# Altium PCB node24.PcbDoc (part 2 of 10)
Units mm, origin at the board's own origin, x right, y up, seen from the top; angles counter-clockwise.
Board outline 177.92 x 177.92 mm, 6 copper layers (L1 - Signal 1 (Top), L2 - Signal 2, L3 - Ground, L4 - Power, L5 - Signal 3, L6 - Signal 4 (Bot)), stack 1.511 mm thick; 721 components, 595 nets, 2782 pads, 2075 vias.
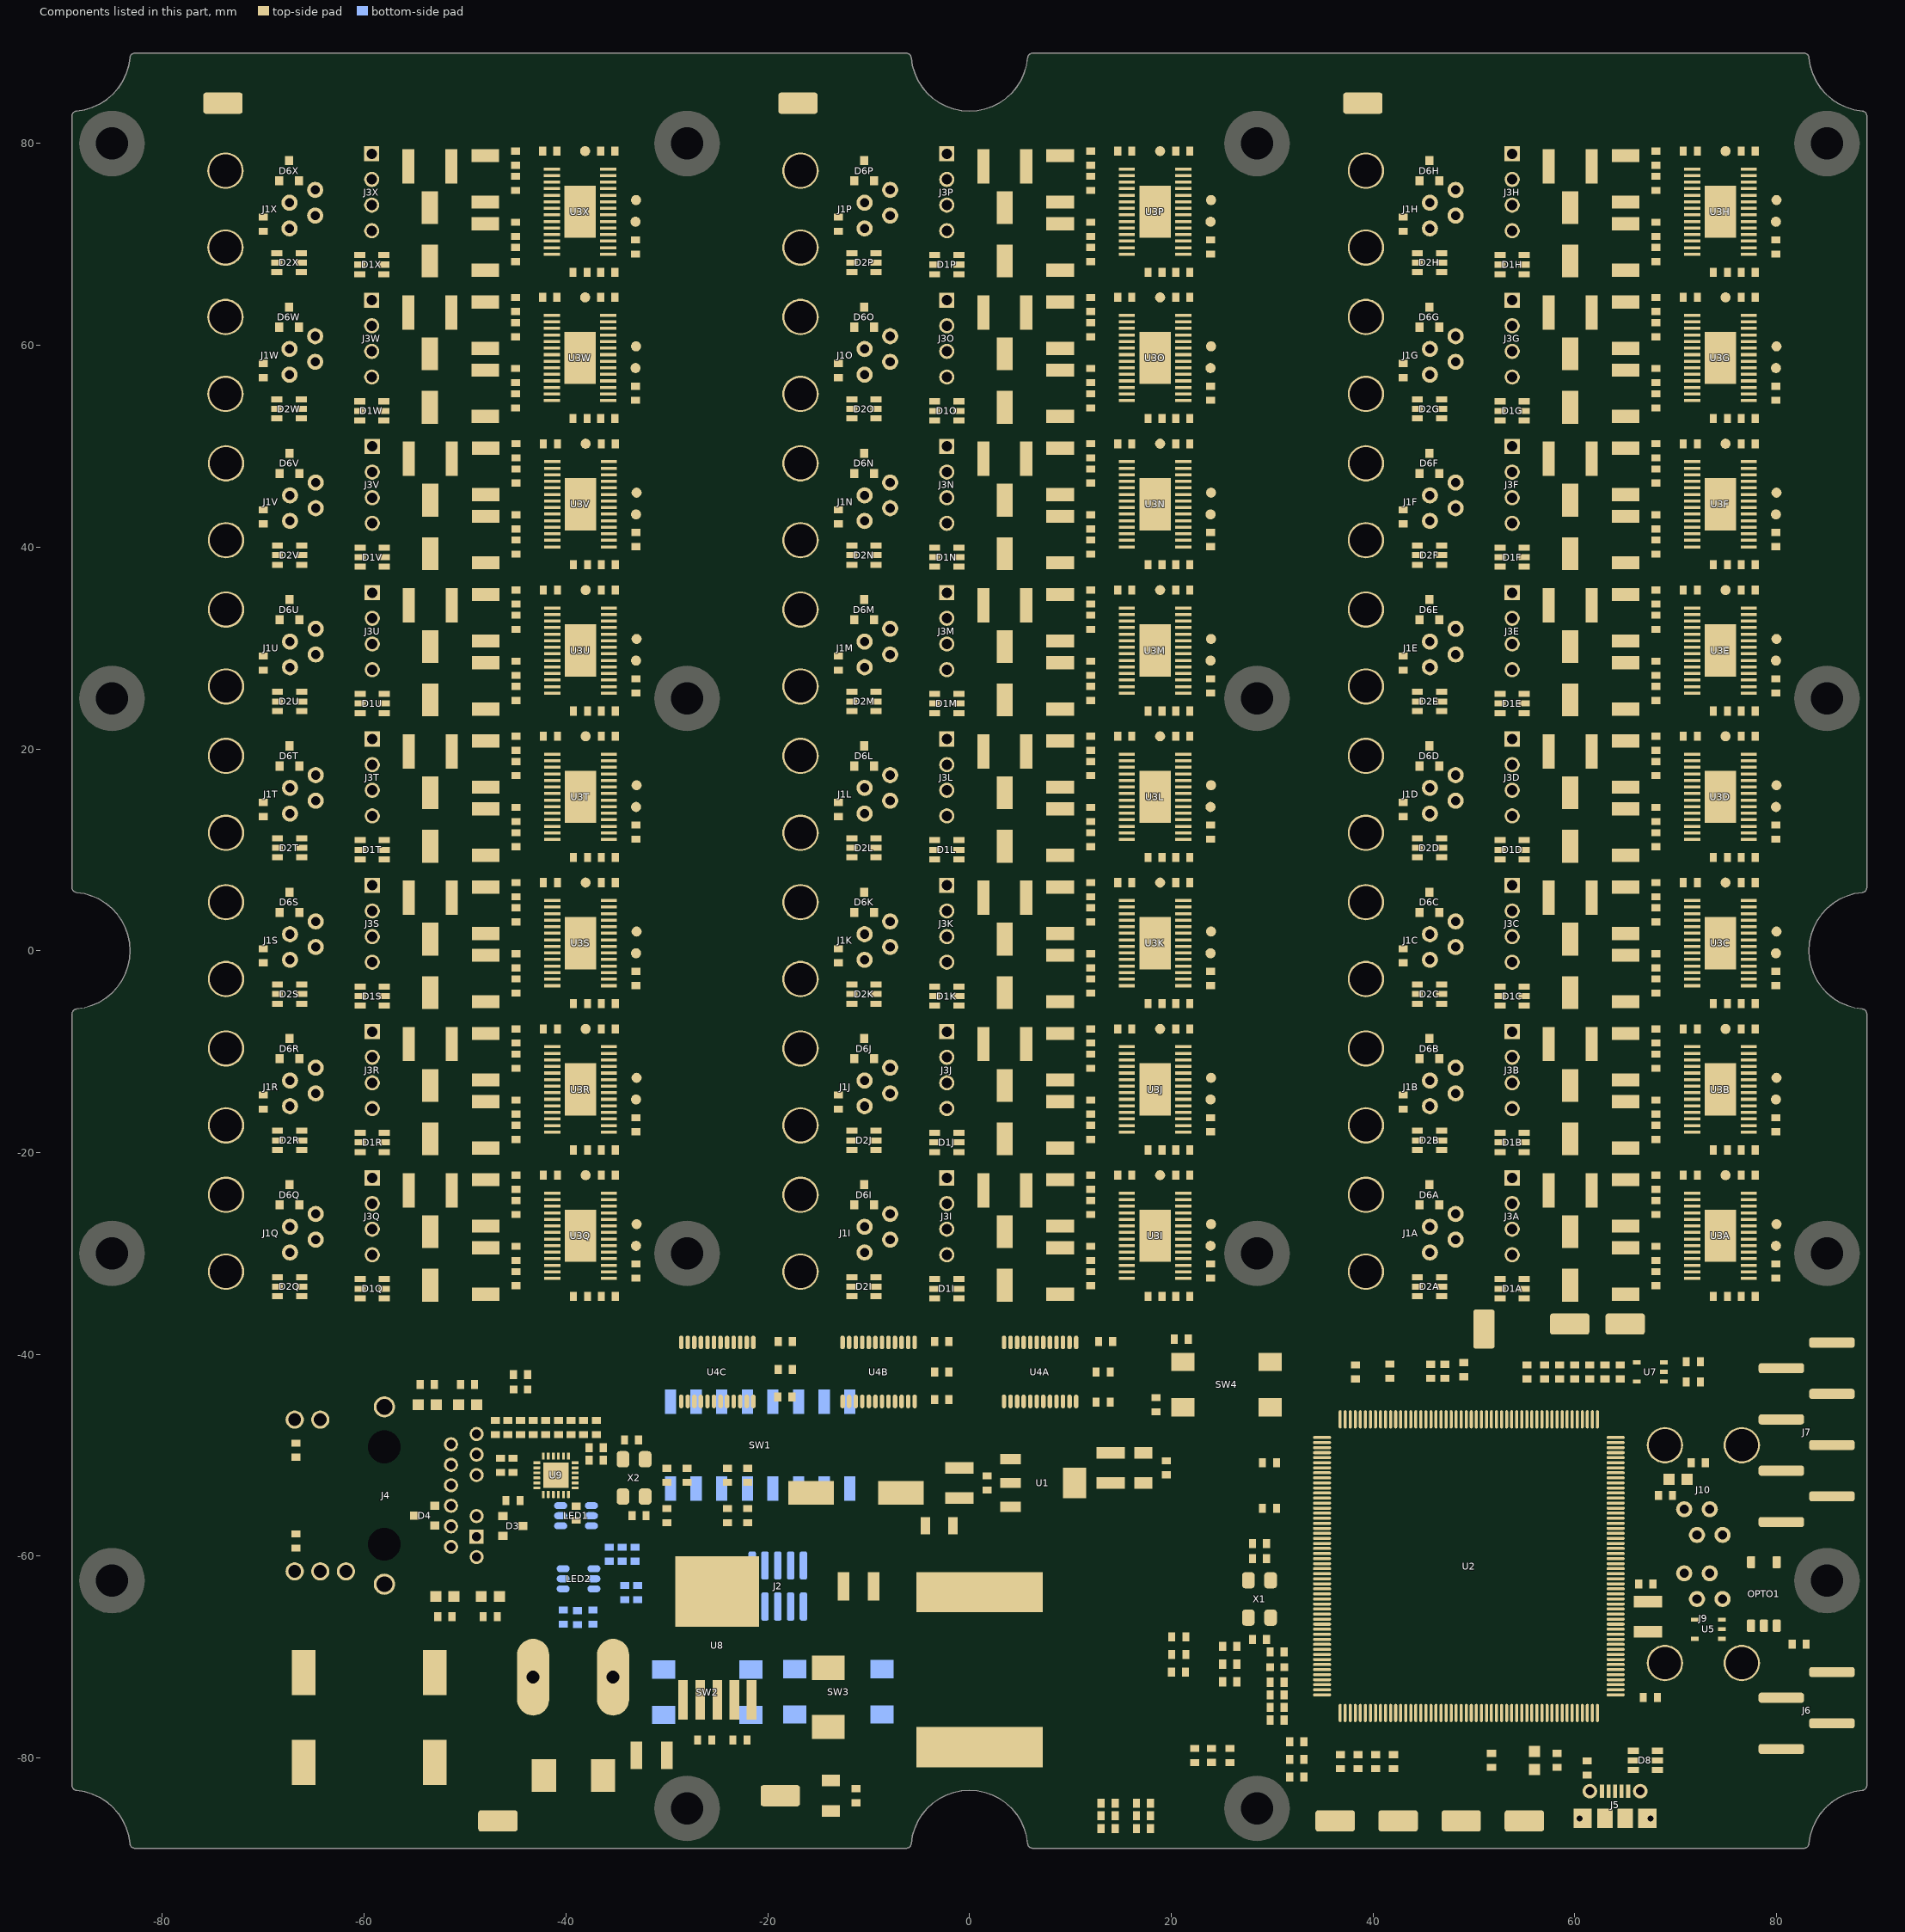
[diagram p6: the components of this part, seen from the top]

## Components (designator, comment, footprint, x,y, rotation, side; value= is the part's Value field where it differs from the comment) (continued)
J3X "CONN_HDR_1X4_2MM4_76384-404LF" HDR_1x4_2R54_V_M -59.25,78.98 r270 bottom (schematic designator J3)
J4 "L829-1J1T-43" BELS-L829-1J1T-43_V -58,-54 r270 bottom locked
J5 "CONN_USB_MICRO-B_RA_SMD_MOLEX_105017-0001" CONN_MOLEX_USB_MICRO_B_SMD_RA_1050170001 64,-83.3 r0 top locked
J6 "CONN_HDR_1X4_V_SMT_NREC004SABC-M30RC" HDR_1X4_2R54_V_M_SMT 83.02,-75.31 r180 top
J7 "CONN_HDR_1X8_V_M_SMT_NREC008SABC-M30RC" HDR_1X8_2R54_V_M_SMT 82.96,-47.73 r0 top
J8 "CONN_ANDERSON_PP45_STACKED_RATH_2POS" CONN_ANDERSON_POWERPOLE_45_HOUSING_STACKED_RATH -43.25,-72 r180 bottom locked
J9 "CONN_ASSMANN_JACK_MOD_4P4C_A-2014-3-4-N-T-R" CON_JACK_MOD_4P4C_ASSMANN_A-2014-3-4-N-T-R 72.755,-70.6 r0 bottom locked
J10 "CONN_ASSMANN_JACK_MOD_4P4C_A-2014-3-4-N-T-R" CON_JACK_MOD_4P4C_ASSMANN_A-2014-3-4-N-T-R 72.755,-49.01 r180 bottom locked
L1 "BEAD_LAIRD_MI0603J601R-10" 0603L 30.5,-71 r180 top
L3 "BEAD_LAIRD_MI0603J601R-10" 0603L -44.5,-43.5 r0 top
L4 "IND_100UH_5A3_SRP1770TA-101M" IND_17MM_SMT 1,-71.25 r90 top locked
LED1 "LED_RGB_SMD_CLX6F-FKC-CNP1ST1E1BB7D3D3" LED_6PLCC_RGB -39,-56 r180 bottom
LED2 "LED_RGB_SMD_CLX6F-FKC-CNP1ST1E1BB7D3D3" LED_6PLCC_RGB -38.75,-62.25 r180 bottom locked
OPTO1 "OPTO_TOSHIBA_LOGIC_PUSHPULL_TLP2361(TPL,E" SO-5 78.75,-63.75 r180 top
R1 "JMP 0603" RESC0603(1608)_L 30.5,-73.75 r0 top value="0.00 Ohm"
R2 "Jumper 1206" RESC1206(3216)_L -3,-57 r0 top value="0.00 Ohm"
R3 "10K" RESC0603(1608)_L -44.5,-47.25 r90 top value="10000.00 Ohm"
R4 "220R 1% 0603(1608)" RESC0603(1608)_L -66.75,-49.5 r90 top value="220.00 Ohm"
R5 "33R" RESC0603(1608)_L -39.5,-47.25 r270 top value="33.00 Ohm"
R6 "33R" RESC0603(1608)_L -38.25,-47.25 r270 top value="33.00 Ohm"
R7 "10K" RESC0603(1608)_L -43.25,-47.25 r90 top value="10000.00 Ohm"
R8 "12K1" RESC0603(1608)_L -39,-55.75 r270 top value="12100.00 Ohm"
R9 "33R" RESC0603(1608)_L -45.75,-47.25 r270 top value="33.00 Ohm"
R10 "220R 1% 0603(1608)" RESC0603(1608)_L -66.75,-58.5 r270 top value="220.00 Ohm"
R11 "1K5" RESC0603(1608)_L -47,-47.25 r270 top value="1500.00 Ohm"
R12 "33R" RESC0603(1608)_L -45.25,-51 r270 top value="33.00 Ohm"
R13 "499R 0603" RESC0603(1608)_L -11.25,-83.75 r270 top value="499.00 Ohm"
R15 "220R" RESC0603(1608)_L 19.5,-51.25 r90 top value="220.00 Ohm"
R16A "10K" RESC0603(1608)_L 13.25,-41.75 r0 top value="10000.00 Ohm" (schematic designator R16)
R16B "10K" RESC0603(1608)_L -2.75,-41.75 r0 top value="10000.00 Ohm" (schematic designator R16)
R16C "10K" RESC0603(1608)_L -18.25,-41.5 r0 top value="10000.00 Ohm" (schematic designator R16)
R17 "10K" RESC0603(1608)_L 13.75,-84.5 r180 top value="10000.00 Ohm"
R18 "10K" RESC0603(1608)_L 13.75,-85.75 r0 top value="10000.00 Ohm"
R19 "10K" RESC0603(1608)_L 17.25,-84.5 r0 top value="10000.00 Ohm"
R20A "1M" RESC0603(1608)_L 68.05,-22.95 r90 top value="1000000.00 Ohm" (schematic designator R20)
R20B "1M" RESC0603(1608)_L 68.05,-8.45 r90 top value="1000000.00 Ohm" (schematic designator R20)
R20C "1M" RESC0603(1608)_L 68.05,6.05 r90 top value="1000000.00 Ohm" (schematic designator R20)
R20D "1M" RESC0603(1608)_L 68.05,20.55 r90 top value="1000000.00 Ohm" (schematic designator R20)
R20E "1M" RESC0603(1608)_L 68.05,35.05 r90 top value="1000000.00 Ohm" (schematic designator R20)
R20F "1M" RESC0603(1608)_L 68.05,49.55 r90 top value="1000000.00 Ohm" (schematic designator R20)
R20G "1M" RESC0603(1608)_L 68.05,64.05 r90 top value="1000000.00 Ohm" (schematic designator R20)
R20H "1M" RESC0603(1608)_L 68.05,78.55 r90 top value="1000000.00 Ohm" (schematic designator R20)
R20I "1M" RESC0603(1608)_L 12,-22.95 r90 top value="1000000.00 Ohm" (schematic designator R20)
R20J "1M" RESC0603(1608)_L 12,-8.45 r90 top value="1000000.00 Ohm" (schematic designator R20)
R20K "1M" RESC0603(1608)_L 12,6.05 r90 top value="1000000.00 Ohm" (schematic designator R20)
R20L "1M" RESC0603(1608)_L 12,20.55 r90 top value="1000000.00 Ohm" (schematic designator R20)
R20M "1M" RESC0603(1608)_L 12,35.05 r90 top value="1000000.00 Ohm" (schematic designator R20)
R20N "1M" RESC0603(1608)_L 12,49.55 r90 top value="1000000.00 Ohm" (schematic designator R20)
R20O "1M" RESC0603(1608)_L 12,64.05 r90 top value="1000000.00 Ohm" (schematic designator R20)
R20P "1M" RESC0603(1608)_L 12,78.55 r90 top value="1000000.00 Ohm" (schematic designator R20)
R20Q "1M" RESC0603(1608)_L -44.95,-22.95 r90 top value="1000000.00 Ohm" (schematic designator R20)
R20R "1M" RESC0603(1608)_L -44.95,-8.45 r90 top value="1000000.00 Ohm" (schematic designator R20)
R20S "1M" RESC0603(1608)_L -44.95,6.05 r90 top value="1000000.00 Ohm" (schematic designator R20)
R20T "1M" RESC0603(1608)_L -44.95,20.55 r90 top value="1000000.00 Ohm" (schematic designator R20)
R20U "1M" RESC0603(1608)_L -44.95,35.05 r90 top value="1000000.00 Ohm" (schematic designator R20)
R20V "1M" RESC0603(1608)_L -44.95,49.55 r90 top value="1000000.00 Ohm" (schematic designator R20)
R20W "1M" RESC0603(1608)_L -45,64.05 r90 top value="1000000.00 Ohm" (schematic designator R20)
R20X "1M" RESC0603(1608)_L -45,78.55 r90 top value="1000000.00 Ohm" (schematic designator R20)
R21A "10K" RESC0603(1608)_L 79.95,-31.75 r270 top value="10000.00 Ohm" (schematic designator R21)
R21B "10K" RESC0603(1608)_L 79.95,-17.25 r270 top value="10000.00 Ohm" (schematic designator R21)
R21C "10K" RESC0603(1608)_L 79.95,-2.75 r270 top value="10000.00 Ohm" (schematic designator R21)
R21D "10K" RESC0603(1608)_L 79.95,11.75 r270 top value="10000.00 Ohm" (schematic designator R21)
R21E "10K" RESC0603(1608)_L 79.95,26.25 r270 top value="10000.00 Ohm" (schematic designator R21)
R21F "10K" RESC0603(1608)_L 79.95,40.75 r270 top value="10000.00 Ohm" (schematic designator R21)
R21G "10K" RESC0603(1608)_L 79.95,55.25 r270 top value="10000.00 Ohm" (schematic designator R21)
R21H "10K" RESC0603(1608)_L 79.95,69.75 r270 top value="10000.00 Ohm" (schematic designator R21)
R21I "10K" RESC0603(1608)_L 23.9,-31.75 r270 top value="10000.00 Ohm" (schematic designator R21)
R21J "10K" RESC0603(1608)_L 23.9,-17.25 r270 top value="10000.00 Ohm" (schematic designator R21)
R21K "10K" RESC0603(1608)_L 23.9,-2.75 r270 top value="10000.00 Ohm" (schematic designator R21)
R21L "10K" RESC0603(1608)_L 23.9,11.75 r270 top value="10000.00 Ohm" (schematic designator R21)
R21M "10K" RESC0603(1608)_L 23.9,26.25 r270 top value="10000.00 Ohm" (schematic designator R21)
R21N "10K" RESC0603(1608)_L 23.9,40.75 r270 top value="10000.00 Ohm" (schematic designator R21)
R21O "10K" RESC0603(1608)_L 23.9,55.25 r270 top value="10000.00 Ohm" (schematic designator R21)
R21P "10K" RESC0603(1608)_L 23.9,69.75 r270 top value="10000.00 Ohm" (schematic designator R21)
R21Q "10K" RESC0603(1608)_L -33.05,-31.75 r270 top value="10000.00 Ohm" (schematic designator R21)
R21R "10K" RESC0603(1608)_L -33.05,-17.25 r270 top value="10000.00 Ohm" (schematic designator R21)
R21S "10K" RESC0603(1608)_L -33.05,-2.75 r270 top value="10000.00 Ohm" (schematic designator R21)
R21T "10K" RESC0603(1608)_L -33.05,11.75 r270 top value="10000.00 Ohm" (schematic designator R21)
R21U "10K" RESC0603(1608)_L -33.05,26.25 r270 top value="10000.00 Ohm" (schematic designator R21)
R21V "10K" RESC0603(1608)_L -33.05,40.75 r270 top value="10000.00 Ohm" (schematic designator R21)
R21W "10K" RESC0603(1608)_L -33.1,55.25 r270 top value="10000.00 Ohm" (schematic designator R21)
R21X "10K" RESC0603(1608)_L -33.1,69.75 r270 top value="10000.00 Ohm" (schematic designator R21)
R22A "10K" RESC0603(1608)_L 77.2,-22.25 r180 top value="10000.00 Ohm" (schematic designator R22)
R22B "10K" RESC0603(1608)_L 77.2,-7.75 r180 top value="10000.00 Ohm" (schematic designator R22)
R22C "10K" RESC0603(1608)_L 77.2,6.75 r180 top value="10000.00 Ohm" (schematic designator R22)
R22D "10K" RESC0603(1608)_L 77.2,21.25 r180 top value="10000.00 Ohm" (schematic designator R22)
R22E "10K" RESC0603(1608)_L 77.2,35.75 r180 top value="10000.00 Ohm" (schematic designator R22)
R22F "10K" RESC0603(1608)_L 77.2,50.25 r180 top value="10000.00 Ohm" (schematic designator R22)
R22G "10K" RESC0603(1608)_L 77.2,64.75 r180 top value="10000.00 Ohm" (schematic designator R22)
R22H "10K" RESC0603(1608)_L 77.2,79.25 r180 top value="10000.00 Ohm" (schematic designator R22)
R22I "10K" RESC0603(1608)_L 21.15,-22.25 r180 top value="10000.00 Ohm" (schematic designator R22)
R22J "10K" RESC0603(1608)_L 21.15,-7.75 r180 top value="10000.00 Ohm" (schematic designator R22)
R22K "10K" RESC0603(1608)_L 21.15,6.75 r180 top value="10000.00 Ohm" (schematic designator R22)
R22L "10K" RESC0603(1608)_L 21.15,21.25 r180 top value="10000.00 Ohm" (schematic designator R22)
R22M "10K" RESC0603(1608)_L 21.15,35.75 r180 top value="10000.00 Ohm" (schematic designator R22)
R22N "10K" RESC0603(1608)_L 21.15,50.25 r180 top value="10000.00 Ohm" (schematic designator R22)
R22O "10K" RESC0603(1608)_L 21.15,64.75 r180 top value="10000.00 Ohm" (schematic designator R22)
R22P "10K" RESC0603(1608)_L 21.15,79.25 r180 top value="10000.00 Ohm" (schematic designator R22)
R22Q "10K" RESC0603(1608)_L -35.8,-22.25 r0 top value="10000.00 Ohm" (schematic designator R22)
R22R "10K" RESC0603(1608)_L -35.8,-7.75 r0 top value="10000.00 Ohm" (schematic designator R22)
R22S "10K" RESC0603(1608)_L -35.8,6.75 r180 top value="10000.00 Ohm" (schematic designator R22)
R22T "10K" RESC0603(1608)_L -35.8,21.25 r180 top value="10000.00 Ohm" (schematic designator R22)
R22U "10K" RESC0603(1608)_L -35.8,35.75 r180 top value="10000.00 Ohm" (schematic designator R22)
R22V "10K" RESC0603(1608)_L -35.8,50.25 r180 top value="10000.00 Ohm" (schematic designator R22)
R22W "10K" RESC0603(1608)_L -35.85,64.75 r180 top value="10000.00 Ohm" (schematic designator R22)
R22X "10K" RESC0603(1608)_L -35.85,79.25 r180 top value="10000.00 Ohm" (schematic designator R22)
R23A "RES_2010_0R25_1W_CSRN2010FKR250" RES2010N 65.05,-31.75 r270 top (schematic designator R23)
R23B "RES_2010_0R25_1W_CSRN2010FKR250" RES2010N 65.05,-17.25 r270 top (schematic designator R23)
R23C "RES_2010_0R25_1W_CSRN2010FKR250" RES2010N 65.05,-2.75 r270 top (schematic designator R23)
R23D "RES_2010_0R25_1W_CSRN2010FKR250" RES2010N 65.05,11.75 r270 top (schematic designator R23)
R23E "RES_2010_0R25_1W_CSRN2010FKR250" RES2010N 65.05,26.25 r270 top (schematic designator R23)
R23F "RES_2010_0R25_1W_CSRN2010FKR250" RES2010N 65.05,40.75 r270 top (schematic designator R23)
R23G "RES_2010_0R25_1W_CSRN2010FKR250" RES2010N 65.05,55.25 r270 top (schematic designator R23)
R23H "RES_2010_0R25_1W_CSRN2010FKR250" RES2010N 65.05,69.75 r270 top (schematic designator R23)
R23I "RES_2010_0R25_1W_CSRN2010FKR250" RES2010N 9,-31.75 r270 top (schematic designator R23)
R23J "RES_2010_0R25_1W_CSRN2010FKR250" RES2010N 9,-17.25 r270 top (schematic designator R23)
R23K "RES_2010_0R25_1W_CSRN2010FKR250" RES2010N 9,-2.75 r270 top (schematic designator R23)
R23L "RES_2010_0R25_1W_CSRN2010FKR250" RES2010N 9,11.75 r270 top (schematic designator R23)
R23M "RES_2010_0R25_1W_CSRN2010FKR250" RES2010N 9,26.25 r270 top (schematic designator R23)
R23N "RES_2010_0R25_1W_CSRN2010FKR250" RES2010N 9,40.75 r270 top (schematic designator R23)
R23O "RES_2010_0R25_1W_CSRN2010FKR250" RES2010N 9,55.25 r270 top (schematic designator R23)
R23P "RES_2010_0R25_1W_CSRN2010FKR250" RES2010N 9,69.75 r270 top (schematic designator R23)
R23Q "RES_2010_0R25_1W_CSRN2010FKR250" RES2010N -47.95,-31.75 r270 top (schematic designator R23)
R23R "RES_2010_0R25_1W_CSRN2010FKR250" RES2010N -47.95,-17.25 r270 top (schematic designator R23)
R23S "RES_2010_0R25_1W_CSRN2010FKR250" RES2010N -47.95,-2.75 r270 top (schematic designator R23)
R23T "RES_2010_0R25_1W_CSRN2010FKR250" RES2010N -47.95,11.75 r270 top (schematic designator R23)
R23U "RES_2010_0R25_1W_CSRN2010FKR250" RES2010N -47.95,26.25 r270 top (schematic designator R23)
R23V "RES_2010_0R25_1W_CSRN2010FKR250" RES2010N -47.95,40.75 r270 top (schematic designator R23)
R23W "RES_2010_0R25_1W_CSRN2010FKR250" RES2010N -48,55.25 r270 top (schematic designator R23)
R23X "RES_2010_0R25_1W_CSRN2010FKR250" RES2010N -48,69.75 r270 top (schematic designator R23)
R24A "RES_2010_0R25_1W_CSRN2010FKR250" RES2010N 65.05,-25 r90 top (schematic designator R24)
R24B "RES_2010_0R25_1W_CSRN2010FKR250" RES2010N 65.05,-10.5 r90 top (schematic designator R24)
R24C "RES_2010_0R25_1W_CSRN2010FKR250" RES2010N 65.05,4 r90 top (schematic designator R24)
R24D "RES_2010_0R25_1W_CSRN2010FKR250" RES2010N 65.05,18.5 r90 top (schematic designator R24)
R24E "RES_2010_0R25_1W_CSRN2010FKR250" RES2010N 65.05,33 r90 top (schematic designator R24)
R24F "RES_2010_0R25_1W_CSRN2010FKR250" RES2010N 65.05,47.5 r90 top (schematic designator R24)
R24G "RES_2010_0R25_1W_CSRN2010FKR250" RES2010N 65.05,62 r90 top (schematic designator R24)
R24H "RES_2010_0R25_1W_CSRN2010FKR250" RES2010N 65.05,76.5 r90 top (schematic designator R24)
R24I "RES_2010_0R25_1W_CSRN2010FKR250" RES2010N 9,-25 r90 top (schematic designator R24)
R24J "RES_2010_0R25_1W_CSRN2010FKR250" RES2010N 9,-10.5 r90 top (schematic designator R24)
R24K "RES_2010_0R25_1W_CSRN2010FKR250" RES2010N 9,4 r90 top (schematic designator R24)
R24L "RES_2010_0R25_1W_CSRN2010FKR250" RES2010N 9,18.5 r90 top (schematic designator R24)
R24M "RES_2010_0R25_1W_CSRN2010FKR250" RES2010N 9,33 r90 top (schematic designator R24)
R24N "RES_2010_0R25_1W_CSRN2010FKR250" RES2010N 9,47.5 r90 top (schematic designator R24)
R24O "RES_2010_0R25_1W_CSRN2010FKR250" RES2010N 9,62 r90 top (schematic designator R24)
R24P "RES_2010_0R25_1W_CSRN2010FKR250" RES2010N 9,76.5 r90 top (schematic designator R24)
R24Q "RES_2010_0R25_1W_CSRN2010FKR250" RES2010N -47.95,-25 r90 top (schematic designator R24)
R24R "RES_2010_0R25_1W_CSRN2010FKR250" RES2010N -47.95,-10.5 r90 top (schematic designator R24)
R24S "RES_2010_0R25_1W_CSRN2010FKR250" RES2010N -47.95,4 r90 top (schematic designator R24)
R24T "RES_2010_0R25_1W_CSRN2010FKR250" RES2010N -47.95,18.5 r90 top (schematic designator R24)
R24U "RES_2010_0R25_1W_CSRN2010FKR250" RES2010N -47.95,33 r90 top (schematic designator R24)
R24V "RES_2010_0R25_1W_CSRN2010FKR250" RES2010N -47.95,47.5 r90 top (schematic designator R24)
R24W "RES_2010_0R25_1W_CSRN2010FKR250" RES2010N -48,62 r90 top (schematic designator R24)
R24X "RES_2010_0R25_1W_CSRN2010FKR250" RES2010N -48,76.5 r90 top (schematic designator R24)
R25 "10K" RESC0603(1608)_L -40.75,-47.25 r90 top value="10000.00 Ohm"
R26 "10K" RESC0603(1608)_L -37,-47.25 r90 top value="10000.00 Ohm"
R27 "10K" RESC0603(1608)_L 17.25,-85.75 r180 top value="10000.00 Ohm"
R28 "1K5" RESC0603(1608)_L 18.5,-45 r90 top value="1500.00 Ohm"
R29 "10K" RESC0603(1608)_L 21,-38.5 r0 top value="10000.00 Ohm"
R30 "JMP 0603" RESC0603(1608)_L 38.25,-41.75 r90 top value="0.00 Ohm"
R31 "JMP 0603" RESC0603(1608)_L 36.786,-80.377 r90 top value="0.00 Ohm"
R32 "JMP 0603" RESC0603(1608)_L 40.286,-80.377 r90 top value="0.00 Ohm"
R33 "JMP 0603" RESC0603(1608)_L 38.536,-80.377 r90 top value="0.00 Ohm"
R34 "100K" RESC0603(1608)_L 69,-54 r0 top value="100000.00 Ohm"
R35 "JMP 0603" RESC0603(1608)_L 25.8,-68.962 r180 top value="0.00 Ohm"
R36 "JMP 0603" RESC0603(1608)_L 25.8,-70.712 r180 top value="0.00 Ohm"
R37 "JMP 0603" RESC0603(1608)_L 25.8,-72.462 r180 top value="0.00 Ohm"
R38A "10K" RESC0603(1608)_L 60,-41.75 r90 top value="10000.00 Ohm" (schematic designator R38)
R38B "10K" RESC0603(1608)_L 58.5,-41.75 r90 top value="10000.00 Ohm" (schematic designator R38)
R38C "10K" RESC0603(1608)_L 57,-41.75 r90 top value="10000.00 Ohm" (schematic designator R38)
R39 "JMP 0603" RESC0603(1608)_L 20.725,-71.5 r0 top value="0.00 Ohm"
R40 "JMP 0603" RESC0603(1608)_L 20.75,-69.75 r0 top value="0.00 Ohm"
R41 "JMP 0603" RESC0603(1608)_L 20.75,-68 r0 top value="0.00 Ohm"
R42 "JMP 0603" RESC0603(1608)_L -22,-56 r90 top value="0.00 Ohm"
R43 "JMP 0603" RESC0603(1608)_L 22.34,-79.76 r270 top value="0.00 Ohm"
R44 "JMP 0603" RESC0603(1608)_L 24.003,-79.756 r270 top value="0.00 Ohm"
R45 "JMP 0603" RESC0603(1608)_L 25.84,-79.76 r270 top value="0.00 Ohm"
R46 "JMP 0603" RESC0603(1608)_L -24,-56 r270 top value="0.00 Ohm"
R47 "10K" RESC0603(1608)_L -46.5,-51 r90 top value="10000.00 Ohm"
R48 "JMP 0603" RESC0603(1608)_L 32.45,-81.91 r0 top value="0.00 Ohm"
R49 "JMP 0603" RESC0603(1608)_L 32.45,-80.16 r0 top value="0.00 Ohm"
R50 "JMP 0603" RESC0603(1608)_L 32.45,-78.41 r0 top value="0.00 Ohm"
R51 "JMP 0603" RESC0603(1608)_L -22,-52 r90 top value="0.00 Ohm"
R52 "JMP 0603" RESC0603(1608)_L -30,-52 r270 top value="0.00 Ohm"
R53 "JMP 0603" RESC0603(1608)_L -34.163,-63.627 r270 bottom value="0.00 Ohm"
R54 "JMP 0603" RESC0603(1608)_L -28,-52 r270 top value="0.00 Ohm"
R55 "JMP 0603" RESC0603(1608)_L -30,-56 r270 top value="0.00 Ohm"
R56 "390R 1% 0603(1608)" RESC0603(1608)_L -32.893,-63.627 r270 bottom value=390
R57A "Jumper 0603" RESC0603(1608)_L 43,-15 r90 top value="0.00 Ohm" (schematic designator R57)
R57B "Jumper 0603" RESC0603(1608)_L -13,-15 r90 top value="0.00 Ohm" (schematic designator R57)
R57C "Jumper 0603" RESC0603(1608)_L -70,-15 r90 top value="0.00 Ohm" (schematic designator R57)
R58A "Jumper 0603" RESC0603(1608)_L 43,-0.5 r90 top value="0.00 Ohm" (schematic designator R58)
R58B "Jumper 0603" RESC0603(1608)_L -13,-0.5 r90 top value="0.00 Ohm" (schematic designator R58)
R58C "Jumper 0603" RESC0603(1608)_L -70,-0.5 r90 top value="0.00 Ohm" (schematic designator R58)
R59A "Jumper 0603" RESC0603(1608)_L 43,14 r90 top value="0.00 Ohm" (schematic designator R59)
R59B "Jumper 0603" RESC0603(1608)_L -13,14 r90 top value="0.00 Ohm" (schematic designator R59)
R59C "Jumper 0603" RESC0603(1608)_L -70,14 r90 top value="0.00 Ohm" (schematic designator R59)
R60A "Jumper 0603" RESC0603(1608)_L 43,28.5 r90 top value="0.00 Ohm" (schematic designator R60)
R60B "Jumper 0603" RESC0603(1608)_L -13,28.5 r90 top value="0.00 Ohm" (schematic designator R60)
R60C "Jumper 0603" RESC0603(1608)_L -70,28.5 r90 top value="0.00 Ohm" (schematic designator R60)
R61A "Jumper 0603" RESC0603(1608)_L 43,43 r90 top value="0.00 Ohm" (schematic designator R61)
R61B "Jumper 0603" RESC0603(1608)_L -13,43 r90 top value="0.00 Ohm" (schematic designator R61)
R61C "Jumper 0603" RESC0603(1608)_L -70,43 r90 top value="0.00 Ohm" (schematic designator R61)
R62A "Jumper 0603" RESC0603(1608)_L 43,57.5 r90 top value="0.00 Ohm" (schematic designator R62)
R62B "Jumper 0603" RESC0603(1608)_L -13,57.5 r90 top value="0.00 Ohm" (schematic designator R62)
R62C "Jumper 0603" RESC0603(1608)_L -70,57.5 r90 top value="0.00 Ohm" (schematic designator R62)
R63A "Jumper 0603" RESC0603(1608)_L 43,72 r90 top value="0.00 Ohm" (schematic designator R63)
R63B "Jumper 0603" RESC0603(1608)_L -13,72 r90 top value="0.00 Ohm" (schematic designator R63)
R63C "Jumper 0603" RESC0603(1608)_L -70,72 r90 top value="0.00 Ohm" (schematic designator R63)
R64 "100K" RESC0603(1608)_L -24,-52 r90 top value="100000.00 Ohm"